# Altium PCB Adafruit PyGamer.PcbDoc (part 1 of 2)
Units mil, origin at the board's own origin, x right, y up, seen from the top; angles counter-clockwise.
Board outline 4000 x 2250 mil, 2 copper layers (Top, Bottom); 102 components, 96 nets, 478 pads, 207 vias.
Unrouted connection lines stored in the file: 1.
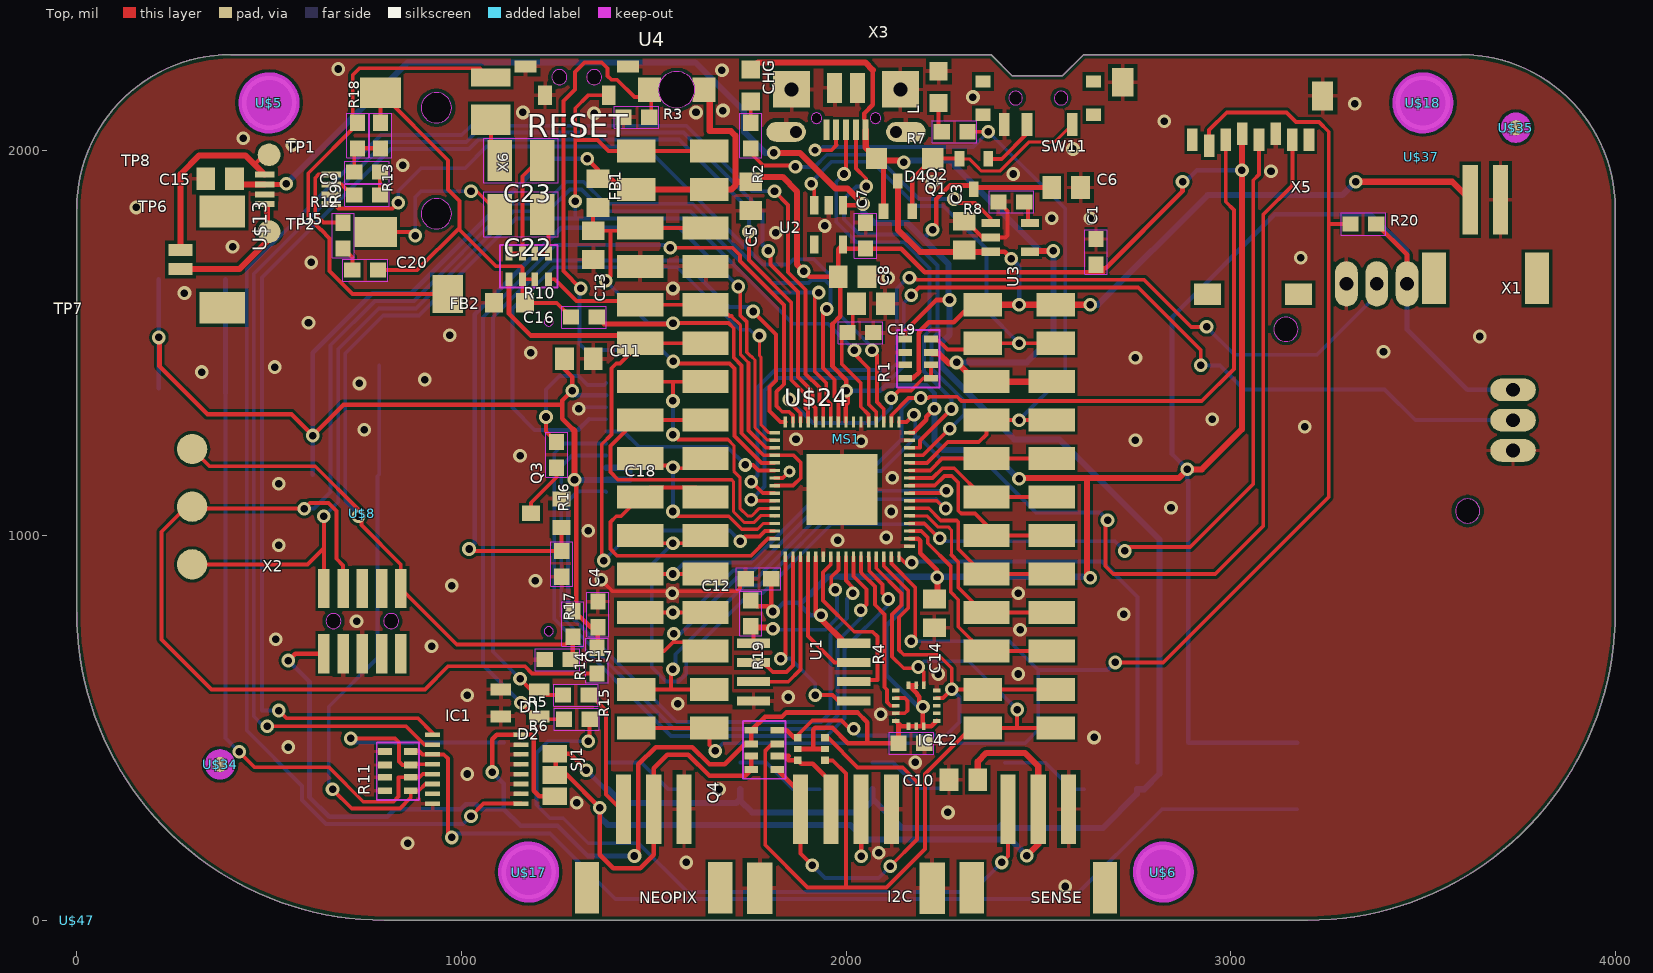
[diagram p0: Top view]
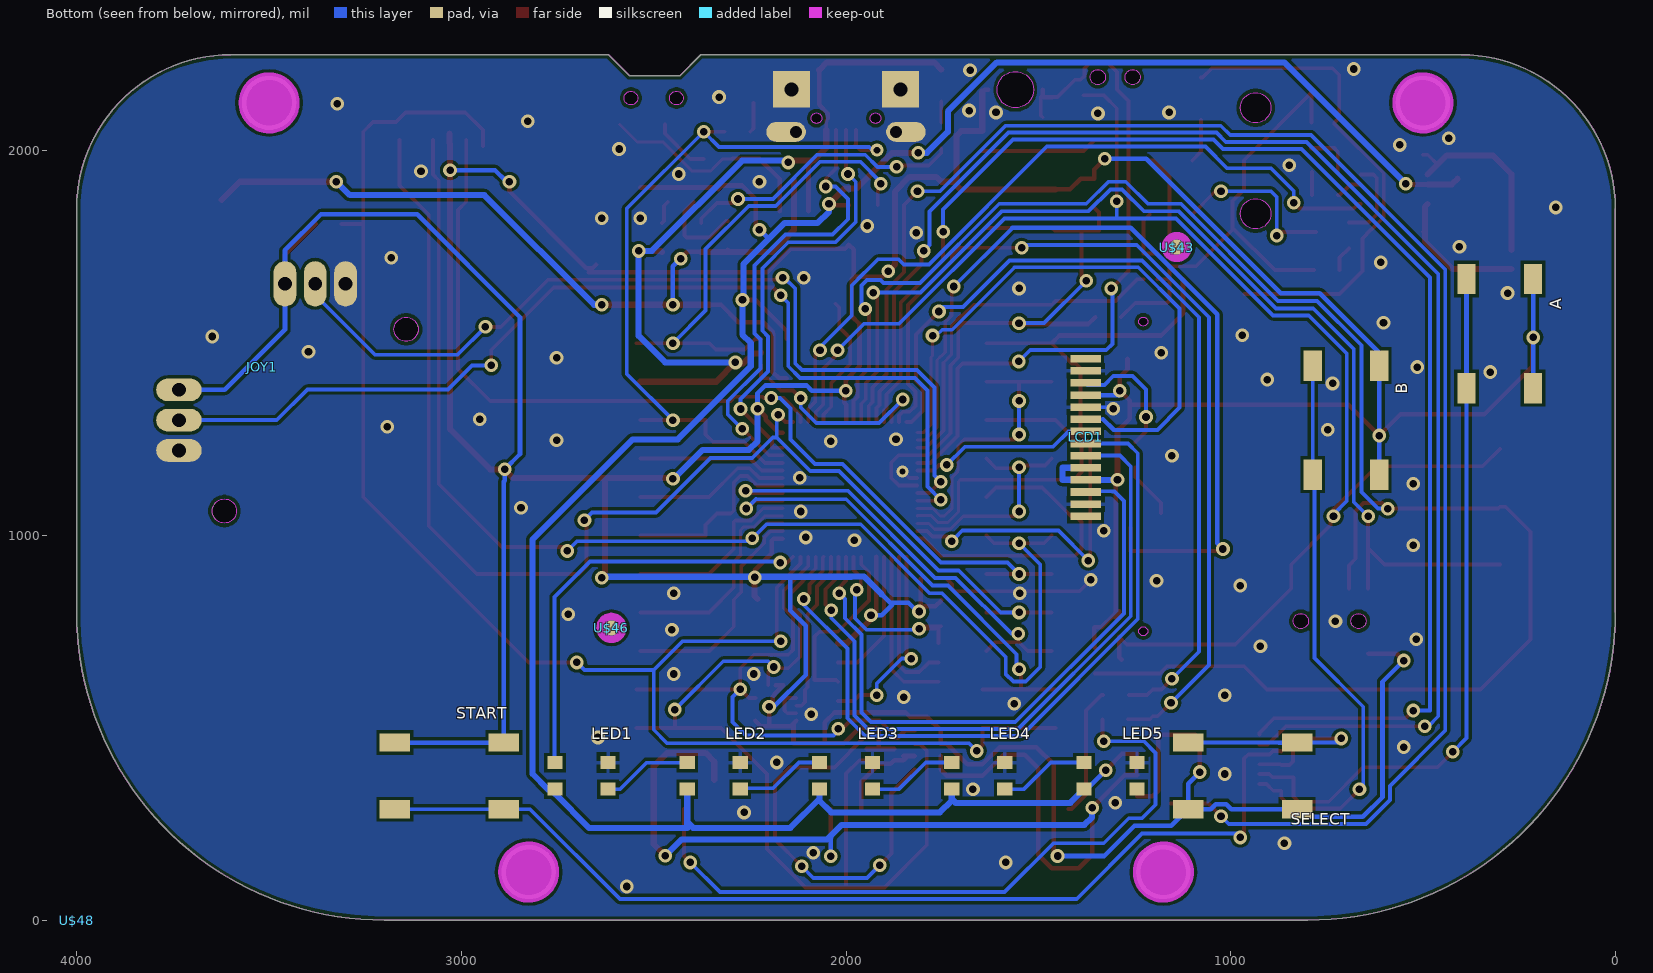
[diagram p1: Bottom view, seen from below]

## Layer stack, top to bottom
Top Solder: solder mask 0.4, Solder Resist, Dk 3.5
Top: signal copper 1.378
Dielectric 1: dielectric 12.6, FR-4, Dk 4.8
Bottom: signal copper 1.378
Bottom Solder: solder mask 0.4, Solder Resist, Dk 3.5

## Board outline
2432.5,2195 2377.5,2250 400,2250 ccw(c400,1850) 0,1850 0,800 ccw(c800,800) 800,0 3200,0 ccw(c3200,800) 4000,800 4000,1850 ccw(c3600,1850) 3600,2250 2617.5,2250 2562.5,2195
cut-out: 1559.7,2111.95 ccw(c1559.7,2159.19) 1606.94,2159.19 ccw(c1559.7,2159.19) 1559.7,2206.43 ccw(c1559.7,2159.19) 1512.45,2159.19 ccw(c1559.7,2159.19)
cut-out: 935,2072.83 ccw(c935,2112.2) 974.37,2112.2 ccw(c935,2112.2) 935,2151.57 ccw(c935,2112.2) 895.63,2112.2 ccw(c935,2112.2)
cut-out: 935,1797.24 ccw(c935,1836.61) 974.37,1836.61 ccw(c935,1836.61) 935,1875.98 ccw(c935,1836.61) 895.63,1836.61 ccw(c935,1836.61)
cut-out: 3143.78,1504.72 ccw(c3143.78,1536.22) 3175.28,1536.22 ccw(c3143.78,1536.22) 3143.78,1567.71 ccw(c3143.78,1536.22) 3112.28,1536.22 ccw(c3143.78,1536.22)
cut-out: 3616.22,1032.29 ccw(c3616.22,1063.78) 3647.72,1063.78 ccw(c3616.22,1063.78) 3616.22,1095.28 ccw(c3616.22,1063.78) 3584.72,1063.78 ccw(c3616.22,1063.78)
cut-out: 1345.28,2172.12 ccw(c1345.28,2191.81) 1364.96,2191.81 ccw(c1345.28,2191.81) 1345.28,2211.49 ccw(c1345.28,2191.81) 1325.6,2191.81 ccw(c1345.28,2191.81)
cut-out: 1254.72,2172.12 ccw(c1254.72,2191.81) 1274.4,2191.81 ccw(c1254.72,2191.81) 1254.72,2211.49 ccw(c1254.72,2191.81) 1235.04,2191.81 ccw(c1254.72,2191.81)
cut-out: 817.5,757.82 ccw(c817.5,777.5) 837.18,777.5 ccw(c817.5,777.5) 817.5,797.18 ccw(c817.5,777.5) 797.82,777.5 ccw(c817.5,777.5)
cut-out: 667.5,757.82 ccw(c667.5,777.5) 687.18,777.5 ccw(c667.5,777.5) 667.5,797.18 ccw(c667.5,777.5) 647.82,777.5 ccw(c667.5,777.5)
cut-out: 2559.06,2119.78 ccw(c2559.06,2137.5) 2576.78,2137.5 ccw(c2559.06,2137.5) 2559.06,2155.22 ccw(c2559.06,2137.5) 2541.34,2137.5 ccw(c2559.06,2137.5)
cut-out: 2440.94,2119.78 ccw(c2440.94,2137.5) 2458.66,2137.5 ccw(c2440.94,2137.5) 2440.94,2155.22 ccw(c2440.94,2137.5) 2423.22,2137.5 ccw(c2440.94,2137.5)
cut-out: 1923.23,2071.22 ccw(c1923.23,2085) 1937.01,2085 ccw(c1923.23,2085) 1923.23,2098.78 ccw(c1923.23,2085) 1909.45,2085 ccw(c1923.23,2085)
cut-out: 2076.77,2071.22 ccw(c2076.77,2085) 2090.55,2085 ccw(c2076.77,2085) 2076.77,2098.78 ccw(c2076.77,2085) 2062.99,2085 ccw(c2076.77,2085)
cut-out: 1227.15,1544.37 ccw(c1227.15,1556.18) 1238.96,1556.18 ccw(c1227.15,1556.18) 1227.15,1567.99 ccw(c1227.15,1556.18) 1215.34,1556.18 ccw(c1227.15,1556.18)
cut-out: 1227.15,739.25 ccw(c1227.15,751.06) 1238.96,751.06 ccw(c1227.15,751.06) 1227.15,762.87 ccw(c1227.15,751.06) 1215.34,751.06 ccw(c1227.15,751.06)

## Design rules (kind name [scope] priority, off if disabled: settings)
BoardOutlineClearance mdCopperDimension [All] p1: gap=10 ignorepadtopadclearanceinfootprint=FALSE except(0: Arc-SplitContinuation Track-SplitContinuation SMDPad-SplitContinuation THPad-SplitContinuation Via-SplitContinuation Fill-SplitContinuation Poly-SplitContinuation Region-SplitContinuation Text-SplitContinuation)
Clearance "Clearance (Same Net)" [All] p1: gap=8 ignorepadtopadclearanceinfootprint=FALSE
Clearance [All] p2: gap=8 ignorepadtopadclearanceinfootprint=FALSE
HoleSize HoleSize_For_NetClass_gnd [InNetClass('gnd')] p1: absolutevalues=TRUE maxlimit=0 minlimit=0 maxpercent=80.000 minpercent=20.000
HoleSize HoleSize_For_NetClass_power [InNetClass('power')] p2: absolutevalues=TRUE maxlimit=0 minlimit=0 maxpercent=80.000 minpercent=20.000
HoleSize [All] p3: absolutevalues=TRUE maxlimit=100000 minlimit=15.5 maxpercent=80.000 minpercent=20.000
HoleToHoleClearance mdDrill [All] p1: gap=8 allowstackedmicrovias=TRUE
MinimumSolderMaskSliver [All] p1 off: minsoldermaskwidth=10
PasteMaskExpansion Expansion_SMDPaste_OFF [InPadClass('SMDPaste_OFF')] p1: expansion=0
PasteMaskExpansion mlMinCreamFrame [All] p2: expansion=0
PolygonConnect PolygonConnect_For_PolygonThermal_ON_Width100000_Gap100000 [InPolygonClass('PolygonThermal_ON_Width100000_Gap100000') vs Not IsVia] p1: connectstyle=Relief reliefconductorwidth=10 reliefentries=4 polygonreliefangle="90 Angle" airgapwidth=10
PolygonConnect ThermalVias [IsVia] p2: connectstyle=Direct reliefconductorwidth=10 reliefentries=4 polygonreliefangle="90 Angle" airgapwidth=10
PolygonConnect [All] p3: connectstyle=Relief reliefconductorwidth=10 reliefentries=4 polygonreliefangle="90 Angle" airgapwidth=10
RoutingVias [All] p1: holewidth=15.5 width=31.5 viastyle="Through Hole" minholewidth=15.5 minwidth=31.5 maxholewidth=100 maxwidth=100
SolderMaskExpansion Expansion_SMDSolder_OFF [InPadClass('SMDSolder_OFF')] p1: expansion=0 istentingtop=FALSE
SolderMaskExpansion mlMinStopFrame [All] p2: expansion=2 istentingtop=FALSE
Width Width_For_NetClass_gnd [InNetClass('gnd')] p1: maxlimit=10 minlimit=10 preferedwidth=10
Width Width_For_NetClass_power [InNetClass('power')] p2: maxlimit=24 minlimit=10 preferedwidth=12
Width [All] p3: maxlimit=10 minlimit=8 preferedwidth=8
26 further rules are at their usual default settings.

## Classes and differential pairs
polygon class PolygonThermal_ON_Width100000_Gap100000: Polygon_1_Net_GND Polygon_2_Net_GND
pad class SMDSolder_OFF: SJ1-1 SJ1-2 SJ1-3 X3-D+ X3-D- X3-GND X3-ID X3-VBUS
pad class SMDPaste_OFF: LCD1-1 LCD1-2 LCD1-3 LCD1-4 LCD1-5 LCD1-6 LCD1-7 LCD1-8 LCD1-9 LCD1-10 LCD1-11 LCD1-12 LCD1-13 LCD1-14 SJ1-1 SJ1-2 SJ1-3 TP1-P$1 TP2-P$1 TP6-P$1 TP7-P$1 TP8-P$1 U4-1_E U4-2_C U$24-EXP U$34-1 U$35-1 U$43-1 U$46-1 X3-D+ X3-D- X3-GND X3-ID X3-VBUS
net class power: +3V3 V+ VBAT VCC

## Components (designator, comment, footprint, x,y, rotation, side; value= is the part's Value field where it differs from the comment)
A "" 6MM_SMT_6MMCAP 300,1525 r270 bottom
B "" 6MM_SMT_6MMCAP 700,1300 r270 bottom
C1 "1uF" 0603-NO 2650,1737.5 r90 top
C2 "1uF" 0603-NO 2170,460 r0 top
C3 "10µF" 0805-NO 2307.5,1780 r90 top
C4 "1uF" 0603-NO 1355,795 r90 top
C5 "10uF" 0805-NO 1752.5,1882.5 r270 top
C6 "10µF" 0805-NO 2572.5,1905 r0 top
C7 "1uF" 0603-NO 2050.67,1779.51 r90 top
C8 "10µF" 0805-NO 2017.36,1673.09 r0 top
C9 "1uF" 0603-NO 755,1945 r180 top
C10 "10uF" 0805-NO 2305,365 r180 top
C11 "10uF" 0805-NO 1305.5,1460 r0 top
C12 "1uF" 0603-NO 1772.5,887.5 r180 top
C13 "10uF" 0805-NO 1342.5,1755 r270 top
C14 "10uF" 0805-NO 2230,797.5 r270 top
C15 "10uF" 0805-NO 372.5,1927.5 r180 top
C16 "1uF" 0603-NO 1318.5,1568 r180 top
C17 "0.1uF" 0603-NO 1250,677.5 r0 top
C18 "10uF" 0805-NO 2065,1602.5 r0 top
C19 "1uF" 0603-NO 2037.5,1527.5 r0 top
C20 "1uF" 0603-NO 750,1690 r0 top
C22 "100uF" C1210 1155,1835 r180 top
C23 "100uF" C1210 1155,1975 r180 top
CHG "ORANGE" CHIPLED_0805_NOOUTLINE 1752.5,2170 r180 top
D1 "3.6V" SOD-323 1152.5,600 r180 top
D2 "3.6V" SOD-323 1152.5,530 r180 top
D4 "MBR0540" SOD-123 2152.5,1980 r180 top
FB1 "Ferrite" 0805-NO 1355,1890 r270 top
FB2 "Ferrite" _0805MP 1125,1605 r180 top
I2C "JST PH 4" JSTPH4 2000,142.5 r180 top
IC1 "74165TSSOP" TSSOP16 1040,392.5 r270 top
IC4 "LIS3DH" LGA16_3X3MM 2182.5,557.5 r180 top
JOY1 "" JOYSTICK_ANALOG_MINITHM 3380,1300 r90 bottom
L "RED" CHIPLED_0805_NOOUTLINE 2240.93,2165.87 r0 top
LCD1 "" JD-T1800 1892.5,1255 r90 bottom
LED1 "WS2812B3535" LED3535 2687.5,375 r180 bottom
LED2 "WS2812B3535" LED3535 2343.75,375 r180 bottom
LED3 "WS2812B3535" LED3535 2000,375 r180 bottom
LED4 "WS2812B3535" LED3535 1656.25,375 r180 bottom
LED5 "WS2812B3535" LED3535 1312.5,375 r180 bottom
MS1 "" FEATHERWING_SMT_NOHOLES 1550,2250 r270 top
NEOPIX "JST PH 3" JSTPH3 1500,182.5 r180 top
Q1 "DMG2305" SOT23-R 2135,1882.5 r0 top
Q2 "DMG2305" SOT23-R 2332.5,1940 r180 top
Q3 "BSS138" SOT23-WIDE 1220.5,1058 r90 top
Q4 "BSS138" SOT363 1910,445 r90 top
R1 "100K" RESPACK_4X0603 2187.5,1460 r90 top
R2 "1K" 0603-NO 1752.5,2040 r270 top
R3 "10K" 0603-NO 1455,2087.5 r0 top
R4 "10K" RESPACK_4X0603 1787.5,442.5 r270 top
R5 "1K" 0603-NO 1297.5,585 r180 top
R6 "1K" 0603-NO 1300,522.5 r180 top
R7 "2.2K" 0603-NO 2282.5,2050 r180 top
R8 "4.7K" 0603-NO 2430,1867.5 r180 top
R9 "100" 0603-NO 692.5,1780 r90 top
R10 "100" RESPACK_4X0603 1175,1700 r180 top
R11 "100K" RESPACK_4X0603 835,387.5 r90 top
R12 "100" 0603-NO 755,1885 r180 top
R13 "2.2K" 0603-NO 790,2040 r270 top
R14 "10K" 0603-NO 1290,770 r270 top
R15 "10K" 0603-NO 1352.5,675 r270 top
R16 "10" 0603-NO 1247.5,1210 r270 top
R17 "100K" 0603-NO 1261,926.5 r270 top
R18 "2.2K" 0603-NO 730,2040 r90 top
R19 "100K" 0603-NO 1752.5,797.5 r270 top
R20 "10K" 0603-NO 3345,1810 r0 top
RESET "" SPST_TACTILE_RA 1300,2180 r180 top
SELECT "" 6MM_SMT_6MMCAP 968.75,375 r0 bottom
SENSE "JST PH 3" JSTPH3 2500,182.5 r180 top
SJ1 "" SOLDERJUMPER_2WAY_OPEN_NOPASTE 1242.5,377.5 r270 top
START "" 6MM_SMT_6MMCAP 3031.25,375 r180 bottom
SW11 "" SPDT_SMT_SSSS811101 2500,2137.5 r180 top
TP1 "" TESTPOINT_ROUND_1.5MM_NO 500,1990 r0 top
TP2 "" TESTPOINT_ROUND_1.5MM_NO 500,1790 r0 top
TP6 "" TESTPOINT_ROUND_2MM_NO 300,1075 r0 top
TP7 "" TESTPOINT_ROUND_2MM_NO 300,925 r0 top
TP8 "" TESTPOINT_ROUND_2MM_NO 300,1225 r0 top
U1 "GD25Q64" SOIC8_208MIL 1890,645 r270 top
U2 "AP2112-3.3" SOT23-5 1955,1807.5 r180 top
U3 "MCP73831T-2ACI/OT" SOT23-5 2427.5,1775 r270 top
U4 "" ALS-PT26-21C 1559.7,2159.19 r0 top
U5 "PAM8302AASCR" MSOP8_0.65MM 575,1900 r90 top
U$5 "" MOUNTINGHOLE_3.0_PLATEDTHIN 500,2125 r0 top
U$6 "" MOUNTINGHOLE_3.0_PLATEDTHIN 2825,125 r0 top
U$8 "" SPEAKER_OVAL8OHM 742.5,1057.5 r90 top
U$13 "CON_MOLEX_2P" 53398-0271 320,1717.5 r270 top
U$17 "" MOUNTINGHOLE_3.0_PLATEDTHIN 1175,125 r0 top
U$18 "" MOUNTINGHOLE_3.0_PLATEDTHIN 3500,2125 r0 top
U$24 "ATSAMD51J19" PQFN64-1 1990,1120 r0 top
U$34 "" FIDUCIAL_1MM 372.5,405 r270 top
U$35 "" FIDUCIAL_1MM 3741.86,2060.28 r270 top
U$37 "" PCBFEAT-REV-040 3495,1985 r0 top
U$43 "" FIDUCIAL_1MM 1140,1750 r180 bottom
U$46 "" FIDUCIAL_1MM 2610,760 r180 bottom
U$47 "" PYGAMER_BACK 0,0 r0 top
U$48 "" PYGAMER_FRONT 4000,0 r180 bottom
X1 "JSTPH" JSTPH2 3662.5,1727.5 r180 top
X2 "2x5 0.05\" SWD" 2X05_1.27MM_BOX_POSTS 742.5,777.5 r0 top
X3 "microUSB" 4UCONN_20329_V2 2000,2085 r180 top
X5 "MicroSD" MICROSD 3255,1610 r180 top
X6 "" 4UCONN_19269 935,2250 r270 top

## Footprints (in the part's own frame and the unit in brackets; to place one, negate y for a bottom-side part, rotate by r counter-clockwise, add the part's x,y. Pads: shape width x height; smd on the part's side, far side on the other; paste and mask are expansions set on the pad)
2X05_1.27MM_BOX_POSTS [mil] "2X05_1.27MM_BOX_POSTS"
  rect 29.92x102.36 smd: 1(-100,-84.65) 2(-100,84.65) 3(-50,-84.65) 4(-50,84.65) 5(0,-84.65) 6(0,84.65) 7(50,-84.65) 8(50,84.65) 9(100,-84.65) 10(100,84.65)
4UCONN_19269 [mm] "4UCONN_19269"
  rect 2x2.7 smd: 1(2.5,-3.7)
  rect 2x2.8 smd: 2(11.7,-4)
  rect 2x2.6 smd: 3(4.3,3.6)
  rect 2.5x2 smd: 4(15.8,0.75)
  rect 1.2x2.6 smd: 5(1.5,3.6)
4UCONN_20329_V2 [mm] "4UCONN_20329_V2"
  rect 1x2 smd: BASE@1(-0.75,-2) BASE@2(0.75,-2)
  rect 0.4x1.35 smd paste+0 mask+0: D+(0,0.775) D-(-0.65,0.775) GND(1.3,0.775) ID(0.65,0.775) VBUS(-1.3,0.775)
  oval 2.616x1.308 hole 0.8 copper offset -0.654,0: SPRT@1(-3.3,0.9)
  oval 2.616x1.308 hole 0.8 copper offset 0.654,0: SPRT@2(3.3,0.9)
  rect 2.413x2.413 / inner round 2.229 / far side rect 2.413x2.413 hole 0.9: SPRT@3(-3.6,-1.9) SPRT@4(3.6,-1.9)
6MM_SMT_6MMCAP [mm] "6MM_SMT_6MMCAP"
  rect 2x1.2 smd: A(-3.6,-2.2) A'(3.6,-2.2) B(-3.6,2.2) B'(3.6,2.2)
0603-NO [mm] "0603-NO"
  rect 1.075x1 smd: 1(-0.85,0) 2(0.85,0)
  Top keep-out lines w0.051: -1.473,0.729 -1.473,-0.729 1.473,-0.729 1.473,0.729 -1.473,0.729
0805-NO [mil] "0805-NO"
  rect 48.82x59.06 smd: 1(-37.4,0) 2(37.4,0)
53398-0271 [mil] "53398-0271"
  rect 31.5x62.99 smd: 1(24.61,-50) 2(-24.61,-50)
  rect 82.68x118.11 smd: M1(125.39,58.27) M2(-125.39,58.27)
_0805MP [mil] "_0805MP"
  rect 47.24x51.18 smd: 1(-40,0) 2(40,0)
ALS-PT26-21C [mil] "ALS-PT26-21C"
  rect 59.06x62.99 smd paste+0: 1_E(-70.87,0) 2_C(70.87,0)
C1210 [mil] "C1210"
  rect 62.99x106.3 smd: 1(-55.12,0) 2(55.12,0)
  Top keep-out lines w2: 97.36,58.39 97.36,-58.39 -97.36,-58.39 -97.36,58.39 97.36,58.39
CHIPLED_0805_NOOUTLINE [mil] "CHIPLED_0805_NOOUTLINE"
  rect 47.24x47.24 smd: A(0,-41.34) C(0,41.34)
FEATHERWING_SMT_NOHOLES [mil] "FEATHERWING_SMT_NOHOLES"
  rect 60x100 smd: 1(250,95) 1B(250,-95) 2(350,95) 2B(350,-95) 15(1650,95) 15B(1650,-95) 16(1750,95) 16B(1750,-95) 17(1750,805) 17B(1750,995) 18(1650,805) 18B(1650,995) 27(750,805) 27B(750,995) 28(650,805) 28B(650,995)
  rect 60x120 smd: 3(450,85) 3B(450,-85) 4(550,85) 4B(550,-85) 5(650,85) 5B(650,-85) 6(750,85) 6B(750,-85) 7(850,85) 7B(850,-85) 8(950,85) 8B(950,-85) 9(1050,85) 9B(1050,-85) 10(1150,85) 10B(1150,-85) 11(1250,85) 11B(1250,-85) 12(1350,85) 12B(1350,-85) 13(1450,85) 13B(1450,-85) 14(1550,85) 14B(1550,-85) 19(1550,815) 19B(1550,985) 20(1450,815) 20B(1450,985) 21(1350,815) 21B(1350,985) 22(1250,815) 22B(1250,985) 23(1150,815) 23B(1150,985) 24(1050,815) 24B(1050,985) 25(950,815) 25B(950,985) 26(850,815) 26B(850,985)
FIDUCIAL_1MM [mm] "FIDUCIAL_1MM"
  rrect100% 1x1 smd paste+0: 1(0,0)
  Top keep-out lines w0.5: 0,-0.75 cw(c0,0) -0.75,0 ; 0,-0.75 ccw(c0,0) 0.75,0 ; 0,-0.75 cw(c0,0) -0.75,0 ; 0,-0.75 ccw(c0,0) 0.75,0 ; 0.75,0 ccw(c0,0) 0,0.75 ; 0.75,0 ccw(c0,0) 0,0.75 ; -0.75,0 cw(c0,0) 0,0.75 ; -0.75,0 cw(c0,0) 0,0.75
JD-T1800 [mm] "JD-T1800"
  rect 0.5x2 smd paste+0: 1(5.2,-13.1) 2(4.4,-13.1) 3(3.6,-13.1) 4(2.8,-13.1) 5(2,-13.1) 6(1.2,-13.1) 7(0.4,-13.1) 8(-0.4,-13.1) 9(-1.2,-13.1) 10(-2,-13.1) 11(-2.8,-13.1) 12(-3.6,-13.1) 13(-4.4,-13.1) 14(-5.2,-13.1)
JOYSTICK_ANALOG_MINITHM [mm] "JOYSTICK_ANALOG_MINITHM"
  oval 1.5x3 hole 0.9: X(0,9) X+(2,9) X-(-2,9)
  oval 3x1.5 hole 0.9: Y(9,0) Y+(9,2) Y-(9,-2)
JSTPH2 [mm] "JSTPH2"
  rect 1x4.6 smd: 1(-1,-3.7) 2(1,-3.7)
  rect 1.6x3.4 smd: NC1(-3.4,1.5) NC2(3.4,1.5)
JSTPH3 [mm] "JSTPH3"
  rect 1x4.6 smd: 1(-2,-2.7) 2(0,-2.7) 3(2,-2.7)
  rect 1.6x3.4 smd: NC1(-4.4,2.5) NC2(4.4,2.5)
JSTPH4 [mm] "JSTPH4"
  rect 1x4.6 smd: 1(-3,-3.7) 2(-1,-3.7) 3(1,-3.7) 4(3,-3.7)
  rect 1.7x3.4 smd: NC1(-5.7,1.5) NC2(5.7,1.5)
LED3535 [mm] "LED3535"
  rect 1x0.85 smd: 1(-1.75,0.875) 2(-1.75,-0.875) 3(1.75,-0.875) 4(1.75,0.875)
LGA16_3X3MM [mm] "LGA16_3X3MM"
  rect 0.5x0.25 smd: 1(-1.35,1) 2(-1.35,0.5) 3(-1.35,0) 4(-1.35,-0.5) 5(-1.35,-1) 9(1.35,-1) 10(1.35,-0.5) 11(1.35,0) 12(1.35,0.5) 13(1.35,1)
  rect 0.25x0.5 smd: 6(-0.5,-1.35) 7(0,-1.35) 8(0.5,-1.35) 14(0.5,1.35) 15(0,1.35) 16(-0.5,1.35)
MICROSD [mm] "MICROSD"
  rect 0.7x1.5 smd: 1(9,-10.64) 2(7.9,-10.24) 3(6.8,-10.64) 4(5.7,-11.04) 5(4.6,-10.64) 6(3.5,-11.04) 7(2.4,-10.64) 8(1.3,-10.64)
  rect 1.8x1.4 smd: CD1(2,-0.44) CD2(8,-0.44)
  rect 1.4x1.9 smd: MT1(0.4,-13.54) MT2(13.6,-14.44)
MOUNTINGHOLE_3.0_PLATEDTHIN [mm] "MOUNTINGHOLE_3.0_PLATEDTHIN"
  round 3.6 hole 3: P$1(0,0)
  Top keep-out circle w2.032: c0,0 r1
  Top keep-out circle w2.032: c0,0 r1
  Top keep-out circle w2.032: c0,0 r1
  Bottom keep-out circle w2.032: c0,0 r1
  Bottom keep-out circle w2.032: c0,0 r1
MSOP8_0.65MM [mil] "MSOP8_0.65MM"
  rect 15.75x51.18 smd: 1(-38.39,-86.61) 2(-12.8,-86.61) 3(12.8,-86.61) 4(38.39,-86.61) 5(38.39,86.61) 6(12.8,86.61) 7(-12.8,86.61) 8(-38.39,86.61)
PCBFEAT-REV-040 [mil] "PCBFEAT-REV-040"
PQFN64-1 [mm] "PQFN64-1"
  rect 0.7x0.22 smd: 1(-4.45,3.75) 2(-4.45,3.25) 3(-4.45,2.75) 4(-4.45,2.25) 5(-4.45,1.75) 6(-4.45,1.25) 7(-4.45,0.75) 8(-4.45,0.25) 9(-4.45,-0.25) 10(-4.45,-0.75) 11(-4.45,-1.25) 12(-4.45,-1.75) 13(-4.45,-2.25) 14(-4.45,-2.75) 15(-4.45,-3.25) 16(-4.45,-3.75) 33(4.45,-3.75) 34(4.45,-3.25) 35(4.45,-2.75) 36(4.45,-2.25) 37(4.45,-1.75) 38(4.45,-1.25) 39(4.45,-0.75) 40(4.45,-0.25) 41(4.45,0.25) 42(4.45,0.75) 43(4.45,1.25) 44(4.45,1.75) 45(4.45,2.25) 46(4.45,2.75) 47(4.45,3.25) 48(4.45,3.75)
  rect 0.22x0.7 smd: 17(-3.75,-4.45) 18(-3.25,-4.45) 19(-2.75,-4.45) 20(-2.25,-4.45) 21(-1.75,-4.45) 22(-1.25,-4.45) 23(-0.75,-4.45) 24(-0.25,-4.45) 25(0.25,-4.45) 26(0.75,-4.45) 27(1.25,-4.45) 28(1.75,-4.45) 29(2.25,-4.45) 30(2.75,-4.45) 31(3.25,-4.45) 32(3.75,-4.45) 49(3.75,4.45) 50(3.25,4.45) 51(2.75,4.45) 52(2.25,4.45) 53(1.75,4.45) 54(1.25,4.45) 55(0.75,4.45) 56(0.25,4.45) 57(-0.25,4.45) 58(-0.75,4.45) 59(-1.25,4.45) 60(-1.75,4.45) 61(-2.25,4.45) 62(-2.75,4.45) 63(-3.25,4.45) 64(-3.75,4.45)
  rect 4.7x4.7 smd paste+0: EXP(0,0)
PYGAMER_BACK [mil] "PYGAMER_BACK"
PYGAMER_FRONT [mil] "PYGAMER_FRONT"
RESPACK_4X0603 [mil] "RESPACK_4X0603"
  rect 17.72x35.43 smd: 1(-51.18,-33.46) 2(-15.75,-33.46) 3(15.75,-33.46) 4(51.18,-33.46) 5(51.18,33.46) 6(15.75,33.46) 7(-15.75,33.46) 8(-51.18,33.46)
  Top keep-out lines w5: -74.8,55.12 -74.8,-55.12 74.8,-55.12 74.8,55.12 -74.8,55.12
SOD-123 [mil] "SOD-123"
  rect 55.12x55.12 smd: A(72.83,0) C(-72.83,0)
SOD-323 [mil] "SOD-323"
  rect 53.15x31.5 smd: A(50,0) C(-50,0)
SOIC8_208MIL [mil] "SOIC8_208MIL"
  rect 23.62x86.61 smd: 1(-75,-130.51) 2(-25,-130.51) 3(25,-130.51) 4(75,-130.51) 5(75,130.51) 6(25,130.51) 7(-25,130.51) 8(-75,130.51)
SOLDERJUMPER_2WAY_OPEN_NOPASTE [mil] "SOLDERJUMPER_2WAY_OPEN_NOPASTE"
  rect 46x63 smd paste+0 mask+0: 1(-55,0) 2(0,0) 3(55,0)
SOT23-5 [mil] "SOT23-5"
  rect 21.65x47.24 smd: 1(-37.4,-51.19) 2(0,-51.19) 3(37.4,-51.19) 4(37.4,51.19) 5(-37.4,51.19)
SOT23-R [mil] "SOT23-R"
  rect 25x40 smd: 1(-37.4,-39.37) 2(37.4,-39.37) 3(0,39.37)
SOT23-WIDE [mm] "SOT23-WIDE"
  rect 1x1.2 smd: 1(-0.95,-1) 2(0.95,-1) 3(0,1)
SOT363 [mil] "SOT363"
  rect 19.69x19.69 smd: 1(-29.53,-35.43) 3(29.53,-35.43) 4(29.53,35.43) 6(-29.53,35.43)
  rect 15.75x19.69 smd: 2(0,-35.43) 5(0,35.43)
SPDT_SMT_SSSS811101 [mil] "SPDT_SMT_SSSS811101"
  rect 27.56x59.06 smd: A(-88.58,68.9) B(29.53,68.9) C(88.58,68.9)
  rect 39.37x31.5 smd: SUP1(-143.7,43.31) SUP2(-143.7,-43.31) SUP3(143.7,43.31) SUP4(143.7,-43.31)
SPEAKER_OVAL8OHM [mil] "SPEAKER_OVAL8OHM"
SPST_TACTILE_RA [mil] "SPST_TACTILE_RA"
  rect 35.43x50 smd: 1(-82.68,35.43) 2(82.68,35.43)
  rect 57.09x31.5 smd: MT1(-132.87,-39.37) MT2(132.87,-39.37)
TESTPOINT_ROUND_1.5MM_NO [mil] "TESTPOINT_ROUND_1.5MM_NO"
  rrect100% 59.06x59.06 smd paste+0: P$1(0,0)
TESTPOINT_ROUND_2MM_NO [mm] "TESTPOINT_ROUND_2MM_NO"
  rrect100% 2x2 smd paste+0: P$1(0,0)
TSSOP16 [mil] "TSSOP16"
  rect 12x39 smd: 1(-89.57,-114.87) 2(-63.98,-114.87) 3(-38.39,-114.87) 4(-12.8,-114.87) 5(12.8,-114.87) 6(38.39,-114.87) 7(63.98,-114.87) 8(89.57,-114.87) 9(89.57,114.87) 10(63.98,114.87) 11(38.39,114.87) 12(12.8,114.87) 13(-12.8,114.87) 14(-38.39,114.87) 15(-63.98,114.87) 16(-89.57,114.87)

## Part data
A B SELECT START: library part 6MM_SMT_6MMCAP, PackageName=6MM_SMT_6MMCAP
C1 C2 C4 C7 C9 C12 C16 C17 C19 C20 R2 R3 R5 R6 R7 R8 R9 R12 R13 R14 R15 R16 R17 R18 R19 R20: library part 0603-NO, PackageName=0603-NO
C3 C5 C6 C8 C10 C11 C13 C14 C15 C18 FB1: library part 0805-NO, PackageName=0805-NO
C22 C23: library part C1210, PackageName=C1210
CHG L: library part CHIPLED_0805_NOOUTLINE, PackageName=CHIPLED_0805_NOOUTLINE
D1 D2: library part SOD-323, PackageName=SOD-323
D4: library part SOD-123, PackageName=SOD-123
FB2: library part _0805MP, PackageName=_0805MP
I2C: library part JSTPH4, PackageName=JSTPH4
IC1: library part TSSOP16, PackageName=TSSOP16
IC4: library part LGA16_3X3MM, PackageName=LGA16_3X3MM
JOY1: library part JOYSTICK_ANALOG_MINITHM, PackageName=JOYSTICK_ANALOG_MINITHM
LCD1: library part JD-T1800, PackageName=JD-T1800
LED1 LED2 LED3 LED4 LED5: library part LED3535, PackageName=LED3535
MS1: library part FEATHERWING_SMT_NOHOLES, PackageName=FEATHERWING_SMT_NOHOLES
NEOPIX SENSE: library part JSTPH3, PackageName=JSTPH3
Q1 Q2: library part SOT23-R, PackageName=SOT23-R
Q3: library part SOT23-WIDE, PackageName=SOT23-WIDE
Q4: library part SOT363, PackageName=SOT363
R1 R4 R10 R11: library part RESPACK_4X0603, PackageName=RESPACK_4X0603
RESET: library part SPST_TACTILE_RA, PackageName=SPST_TACTILE_RA
SJ1: library part SOLDERJUMPER_2WAY_OPEN_NOPASTE, PackageName=SOLDERJUMPER_2WAY_OPEN_NOPASTE
SW11: library part SPDT_SMT_SSSS811101, PackageName=SPDT_SMT_SSSS811101
TP1 TP2: library part TESTPOINT_ROUND_1.5MM_NO, PackageName=TESTPOINT_ROUND_1.5MM_NO
TP6 TP7 TP8: library part TESTPOINT_ROUND_2MM_NO, PackageName=TESTPOINT_ROUND_2MM_NO
U1: library part SOIC8_208MIL, PackageName=SOIC8_208MIL
U2 U3: library part SOT23-5, PackageName=SOT23-5
U4: library part ALS-PT26-21C, PackageName=ALS-PT26-21C
U5: library part MSOP8_0.65MM, PackageName=MSOP8_0.65MM
U$5 U$6 U$17 U$18: library part MOUNTINGHOLE_3.0_PLATEDTHIN, PackageName=MOUNTINGHOLE_3.0_PLATEDTHIN
U$8: library part SPEAKER_OVAL8OHM, PackageName=SPEAKER_OVAL8OHM
U$13: library part 53398-0271, PackageName=53398-0271
U$24: library part PQFN64-1, PackageName=PQFN64-1
U$34 U$35 U$43 U$46: library part FIDUCIAL_1MM, PackageName=FIDUCIAL_1MM
U$37: library part PCBFEAT-REV-040, PackageName=PCBFEAT-REV-040
U$47: library part PYGAMER_BACK, PackageName=PYGAMER_BACK
U$48: library part PYGAMER_FRONT, PackageName=PYGAMER_FRONT
X1: library part JSTPH2, PackageName=JSTPH2
X2: library part 2X05_1.27MM_BOX_POSTS, PackageName=2X05_1.27MM_BOX_POSTS
X3: library part 4UCONN_20329_V2, PackageName=4UCONN_20329_V2
X5: library part MICROSD, PackageName=MICROSD
X6: library part 4UCONN_19269, PackageName=4UCONN_19269

## Free pads (board coordinates)
  round 39.37 hole 39.37 unplated: MH1(667.5,777.5) MH1(1345.28,2191.81) MH2(817.5,777.5) MH2(1254.72,2191.81)
  round 78.74 hole 78.74 unplated: MH1(935,2112.2) MH2(935,1836.61)
  round 23.62 hole 23.62 unplated: MH1(1227.15,751.06) MH2(1227.15,1556.18)
  round 94.49 hole 94.49 unplated: MH1(1559.7,2159.19)
  round 27.56 hole 27.56 unplated: MH1(2076.77,2085) MH2(1923.23,2085)
  round 35.43 hole 35.43 unplated: MH1(2559.06,2137.5) MH2(2440.94,2137.5)
  round 62.99 hole 62.99 unplated: MH1(3616.22,1063.78) MH2(3143.78,1536.22)

## Via types
v1: diameter 35.69/35.69 (per signal layer), hole 19.69, Top to Bottom, 205 vias
v2: diameter 33.72/33.72 (per signal layer), hole 17.72, Top to Bottom, 1 vias
v3: diameter 31.5/31.5 (per signal layer), hole 15.5, Top to Bottom, 1 vias

## Nets (pads, with @x,y where several pads share a name; then routed paths per layer and width w, separated by ;. In a path a pad name is that pad's centre, name@x,y a point inside that pad or via, vN(x,y) a via of type N, cw(c..) or ccw(c..) an arc to the next point about the centre after c; other vN are vias at no path point)
!RESET: C17.2 MS1.1 MS1.1B R14.2 RESET.1 TP8.P$1 U$24.52 X2.10 | length 4341.7
  Top w10: TP8.P$1@300,1225 345,1180 620,1180 735,1065 735,1052.5 v1(732.5,1050) 740,1042.5 740,1027.5 842.5,925 X2.10@842.5,862.15 988.11,716.54 1270,716.54 R14.2@1290,736.54 ; v1(1295.97,1869.16) 1295.97,2025 ; RESET.1@1382.68,2144.57 1329.57,2144.57 1295.97,2110.97 1295.97,2025 ; MS1.1@1645,2000 MS1.1B@1455,2000 1382.5,2000 1353.74,2028.76 1299.73,2028.76 1295.97,2025 ; v1(2021.81,1481.81) 2016.81,1476.81 2059.31,1434.31 2059.31,1340.81 2078.58,1321.54 U$24.52@2078.58,1295.2
  Top w12: C17.2@1283.46,677.5 1290,684.04 R14.2@1290,736.54
  Bottom w10: v1(732.5,1050) 732.5,1055 698,1089.5 698,1473 797,1572 889.78,1572 1142.28,1824.5 1297.5,1824.5 ; v1(1295.97,1869.16) 1295.97,1826.03 1297.5,1824.5 ; v1(2021.81,1481.81) 1952.8,1550.82 1861.77,1550.82 1588.08,1824.5 1297.5,1824.5
+3V3: A.B A.B' B.B B.B' C1.1 C2.1 C4.1 C5.1 C7.1 C8.1 C11.1 C12.1 C14.1 FB1.1 IC1.16 IC4.1 IC4.7 IC4.8 IC4.13 IC4.14 IC4.15 IC4.16 JOY1.X+ JOY1.Y+ LCD1.4 LCD1.10 LCD1.11 MS1.2 MS1.2B Q4.2 Q4.5 R4.1 R4.2 R14.1 R15.1 R19.1 R20.2 SELECT.B SELECT.B' SJ1.3 START.B START.B' U1.8 U2.5 U4.2_C U$24.21 U$24.34 U$24.48 U$24.56 X2.1 X5.4 | length 17828.6
  Top w12: v1(213.39,1515) 215,1513.39 215,1440 340,1315 558.39,1315 v1(613.39,1260) 693.39,1340 1262.5,1340 ; v1(550,675) 567.85,692.85 X2.1@642.5,692.85 ; v1(1080,385) 1080,470 1092.07,482.07 IC1.16@1154.87,482.07 1182.93,482.07 1188.37,476.63 1188.37,336.63 1202.5,322.5 SJ1.3@1242.5,322.5 ; C11.1@1268.1,1460 1268.1,1432.2 1288,1412.3 v1(1288,1376.5) 1262.5,1351 1262.5,1340 ; R14.1@1290,803.46 1289.52,802.98 1289.52,797.98 1299.52,787.98 R14.1@1304.52,792.98 ; 1290,1275.84 1262.5,1303.34 1262.5,1340 ; v1(1294.16,1145) 1298.16,1141 1298.16,799.34 R14.1@1304.52,792.98 ; v1(1327.5,1979.3) 1355,1951.8 FB1.1@1355,1927.4 1390.1,1927.4 1417.5,1900 MS1.2B@1455,1900 ; R15.1@1352.5,708.46 1355,710.96 C4.1@1355,761.54 1335.96,761.54 R14.1@1304.52,792.98 ; v1(1450,166.84) 1460,176.84 1460,405 1505,450 1600,450 1645,405 1685,405 1738.25,458.25 R4.2@1754.04,458.25 R4.1@1754.04,493.68 1789.54,529.19 1833.59,529.19 1844.41,540 2030,540 2055,515 2055,460 ; U4.2_C@1630.57,2159.19 1640.56,2159.19 U4.2_C@1645.56,2154.19 ; R19.1@1752.5,830.96 1767.5,815.96 1796.54,815.96 v1(1810,802.5) 1805.96,806.54 C12.1@1805.96,887.5 ; Q4.5@1874.57,445 1915,445 ; v1(1890,1687.5) 1904.41,1673.09 C8.1@1979.96,1673.09 ; U$24.21@1921.1,944.8 1921.1,929.8 1921.1,792.5 v1(1935,792.5) ; Q4.2@1945.43,445 1915,445 ; U$24.56@1999.84,1295.2 1999.84,1340.2 2004.84,1345.2 2004.84,1372.5 v1(2001,1376.35) 2001,1404 1965,1440 1965,1550 1984.96,1569.96 1984.96,1668.09 C8.1@1979.96,1673.09 ; U$24.34@2165.2,992.05 2187.95,992.05 2193.5,986.5 2193.5,953.9 2237.5,909.9 v1(2237.5,891.06) ; U$24.48@2165.2,1267.64 2175.14,1267.64 2208.54,1301.04 2208.54,1308.54 v1(2230,1330) ; IC4.7@2182.5,610.65 IC4.8@2162.81,610.65 2185,588.46 2185,585.65 2190,580.65 2190,555 v1(2200,555) 2200,504.35 IC4.15@2182.5,504.35 ; IC4.1@2235.65,518.13 2221.87,504.35 IC4.16@2202.19,504.35 IC4.15@2182.5,504.35 ; C1.1@2650,1704.04 C1.1@2659.04,1695 ; v1(2875,1920) 2875,1895 2675,1695 C1.1@2659.04,1695 ; R20.2@3378.46,1810 3458.74,1729.72 JOY1.Y+@3458.74,1654.33 ; 1915,445 1915,495 1920,500 1965,500 2005,460 2055,460 ; C8.1@1979.96,1673.09 1979.96,1743.87 U2.5@1992.4,1756.31 2002.67,1746.04 C7.1@2050.67,1746.05 2143.96,1746.04 2205,1685 2669.04,1685 C1.1@2659.04,1695 ; 2055,460 C2.1@2136.54,460 2136.54,510.94 IC4.13@2129.35,518.13 2143.13,504.35 IC4.14@2162.81,504.35 IC4.15@2182.5,504.35
  Top w16: 1290,1275.84 1294.16,1271.69 v1(1294.16,1145) ; MS1.2B@1455,1900 MS1.2@1645,1900 1702.5,1900 1712.5,1910 1712.5,1919.9 ; U4.2_C@1645.56,2154.19 1645.56,2051.5 1700.8,2051.5 1712.5,2039.8 1712.5,1919.9 ; v1(1890,1687.5) 1872.5,1705 1872.5,1894.9 1835,1932.4 1765,1932.4 C5.1@1752.5,1919.9 1712.5,1919.9 ; v1(1935,792.5) 1935,782.5 1997.5,720 U1.8@2020.51,720 ; C14.1@2230,834.9 2237.5,842.4 v1(2237.5,891.06) ; v1(2450,1147.5) 2452,1149.5 2626.16,1149.5 ; v1(2635,890) 2626.16,898.84 2626.16,1149.5 ; X5.4@3030.59,2044.65 3030.59,2020.59 3029.43,2019.43 v1(3029.43,1950) 3029.43,1276.04 2925.38,1172 v1(2887.5,1172) 2865,1149.5 2626.16,1149.5
  Bottom w12: A.B'@213.39,1383.27 v1(213.39,1515) A.B@213.39,1666.73 ; v1(550,675) 605,620 605,320 656,269 807.63,269 SELECT.B@827.02,288.39 998.35,288.39 1011.81,301.84 1038.19,301.84 1051.65,288.39 SELECT.B'@1110.48,288.39 ; B.B'@613.39,1158.27 v1(613.39,1260) B.B@613.39,1441.73 613.39,1474.92 768.39,1629.92 869.92,1629.92 1219.3,1979.3 v1(1327.5,1979.3) ; v1(1080,385) 1110.48,354.52 SELECT.B'@1110.48,288.39 ; v1(1288,1376.5) 1288,1365.24 LCD1.4@1376.75,1365.24 ; v1(1450,166.84) 1328.16,166.84 1250,245 1153.87,245 SELECT.B'@1110.48,288.39 ; v1(1810,802.5) 1815,802.5 1837.5,825 1885,825 ; 1907.5,847.5 1885,825 ; v1(1935,792.5) 1907.5,792.5 1880,820 1885,825 ; v1(2001,1376.35) 2088.85,1376.35 2102.5,1390 2210,1390 2230,1370 v1(2230,1330) ; 2145,892.71 2145,805 2105,765 2105,637.5 2187.5,555 v1(2200,555) ; v1(2875,1920) 2882.5,1920 2912.5,1950 v1(3029.43,1950) ; START.B@3172.98,461.61 START.B'@2889.52,461.61 2889.52,1140.48 2887.5,1142.5 v1(2887.5,1172) 2847.5,1212 2847.5,1567.5 3115,1835 3365,1835 3458.74,1741.26 JOY1.Y+@3458.74,1654.33 3458.74,1535.08 3615.08,1378.74 JOY1.X+@3734.33,1378.74
  Bottom w16: v1(1294.16,1145) 1294.39,1144.76 LCD1.11@1376.75,1144.76 1376.99,1145 1437.5,1145 1437.5,1176.26 LCD1.10@1376.75,1176.26 ; 1907.5,847.5 1953.15,893.15 1985.83,893.15 1986.27,892.71 2145,892.71 v1@2235.85,892.71 ; v1(2230,1330) 2230,1245 2252.5,1222.5 2372.5,1222.5 2447.5,1147.5 v1(2450,1147.5) ; v1(2237.5,891.06) v1@2235.85,892.71 ; v1(2635,890) 2632.29,892.71 v1@2235.85,892.71
A0: MS1.5 MS1.5B R10.8 U$24.3 | length 918.1
  Top w8: 1702,1570.5 1726,1546.5 1726,1469.91 1746.5,1449.41
  Top w10: R10.8@1226.18,1666.54 1242.35,1666.54 1298.88,1610 1455,1610 MS1.5B@1465,1600 MS1.5@1635,1600 1667.5,1600 1697,1570.5 1702,1570.5 ; 1746.5,1449.41 1746.5,1273.5 1791.73,1228.27 U$24.3@1814.8,1228.27
A1: MS1.6 MS1.6B R10.5 U$24.14 | length 1746.8
  Top w10: v1(1370,935) 1365,940 1365,1237.5 1390,1262.5 1390,1435 1402.5,1447.5 1412.5,1447.5 MS1.6B@1465,1500 MS1.6@1635,1500 ; v1(1725.23,985.24) 1737.73,997.73 1775.23,997.73 1789.23,1011.73 U$24.14@1814.8,1011.73
  Top w12: R10.5@1123.82,1666.54 1123.82,1576.18 1180,1520 1445,1520 MS1.6B@1465,1500
  Bottom w10: v1(1370,935) 1447.73,1012.73 1697.74,1012.73 1715.24,995.24 v1(1725.23,985.24)
A2: MS1.7 MS1.7B U$24.11 | length 754.7
  Top w8: 1692.5,1250 1708.5,1234 1708.5,1167.41 1724,1151.91 1724,1071 1744.21,1050.79 1754.8,1050.79 1774.8,1070.79 U$24.11@1814.8,1070.79
  Top w10: MS1.7B@1465,1400 1550,1400 ; v1(1550,1262.5) 1562.5,1250 1692.5,1250 ; v1(1550,1350) 1550,1400 ; MS1.7@1635,1400 1550,1400
  Bottom w10: v1(1550,1262.5) v1(1550,1350)
A3: MS1.8 MS1.8B U$24.12 | length 878.1
  Top w8: 1702.5,1145 1707.5,1140 1707.5,1062.04 1735.94,1033.6 1760.25,1033.6 1778.32,1051.68 1814.23,1051.68 U$24.12@1814.8,1051.1
  Top w10: MS1.8@1635,1300 MS1.8B@1465,1300 1455,1300 1387.5,1232.5 1387.5,1165 1407.5,1145 1702.5,1145
A4: MS1.9 MS1.9B U$24.13 | length 598.7
  Top w8: 1695,1050 1728.58,1016.42 1769.8,1016.42 1784.8,1031.42 U$24.13@1814.8,1031.42
  Top w10: MS1.9B@1465,1200 1482.5,1182.5 1550,1182.5 v1(1550,1177.5) 1552.5,1175 1610,1175 MS1.9@1635,1200 ; v1(1550,1062.5) 1562.5,1050 1695,1050
  Bottom w10: v1(1550,1062.5) v1(1550,1177.5)
A5: MS1.10 MS1.10B U$24.15 | length 818.1
  Top w10: MS1.10@1635,1100 1610,1125 1490,1125 MS1.10B@1465,1100 1415,1050 1402.5,1050 1387.5,1035 1387.5,965 1405,947.5 1752.76,947.5 1797.3,992.05 U$24.15@1814.8,992.05
A6_VMEAS: R1.1 R1.2 U$24.62 | length 562.6
  Top w10: v1(1852.59,1353.76) 1852.59,1346.92 1881.73,1317.78 U$24.62@1881.73,1295.2 ; v1(2117.5,1357.5) 2137.5,1377.5 2169.65,1377.5 2200.96,1408.82 R1.1@2220.96,1408.82 R1.2@2220.96,1444.25
  Bottom w10: v1(1852.59,1353.76) 1913.85,1292.5 2077.5,1292.5 2117.5,1332.5 v1(2117.5,1357.5)
A7_LIGHT: R3.2 U4.1_E U$24.5 | length 1835.2
  Top w10: v1(1310,1642.5) 1265.13,1687.37 1265.13,2130.13 1295,2160 1295,2205 1320,2230 1365,2230 1380,2215 1380,2195 1390,2185 1405,2185 1450,2140 1463.46,2140 1493.46,2140 1493.46,2092.5 R3.2@1488.46,2087.5 ; v1(1550.84,1452.61) 1555.95,1447.5 1697.5,1447.5 1710.5,1434.5 1710.5,1258.59 1780.19,1188.9 U$24.5@1814.8,1188.9
  Top w12: U4.1_E@1463.46,2140 1489.64,2140 1488.83,2140.81 U4.1_E@1488.83,2159.19
  Bottom w10: v1(1310,1642.5) 1307.5,1640 1307.5,1498.45 1323.34,1482.61 1520.84,1482.61 v1(1550.84,1452.61)
AGND: C16.2 C20.2 FB2.1 R10.6 R10.7 R13.1 X6.1 | length 1242.6
  Top w10: C20.2@783.46,1690 885,1690 995,1800 ; R13.1@790,2073.46 789.33,2074.13 X6.1@789.33,2151.57 965,1975.91 965,1900 995,1870 995,1800 ; R10.7@1190.75,1666.54 R10.6@1159.25,1666.54 ; C16.2@1285.04,1568 1248.04,1605 FB2.1@1165,1605 1159.25,1610.75 R10.6@1159.25,1666.54 ; 995,1800 995,1795 1090,1700 1155,1700 1159.25,1695.75 R10.6@1159.25,1666.54
AVCC: C13.1 C16.1 FB1.2 MS1.3 MS1.3B U$24.4 U$24.8 | length 1670.5
  Top w10: FB1.2@1355,1852.6 1342.5,1840.1 C13.1@1342.5,1792.4 1387.5,1792.4 ; v1(1375,1662.5) 1387.5,1675 1387.5,1792.4 ; v1(1550.25,1552.25) 1550,1552.5 1694.54,1552.5 1708,1539.04 1708,1462.46 1728.5,1441.96 1728.5,1266.04 1785.96,1208.58 U$24.4@1814.8,1208.58 1863.92,1208.58 1882.5,1190 1882.5,1150 1862.5,1130 1814.96,1130 U$24.8@1814.8,1129.84 ; MS1.3@1635,1800 MS1.3B@1465,1800 1457.4,1792.4 1387.5,1792.4
  Top w12: C16.1@1351.96,1568 1369.96,1550 1547.5,1550 v1@1550,1552.5
  Bottom w10: v1(1375,1662.5) 1485.25,1552.25 v1(1550.25,1552.25)